# KiCad board 32X_VA2.kicad_pcb (continued)
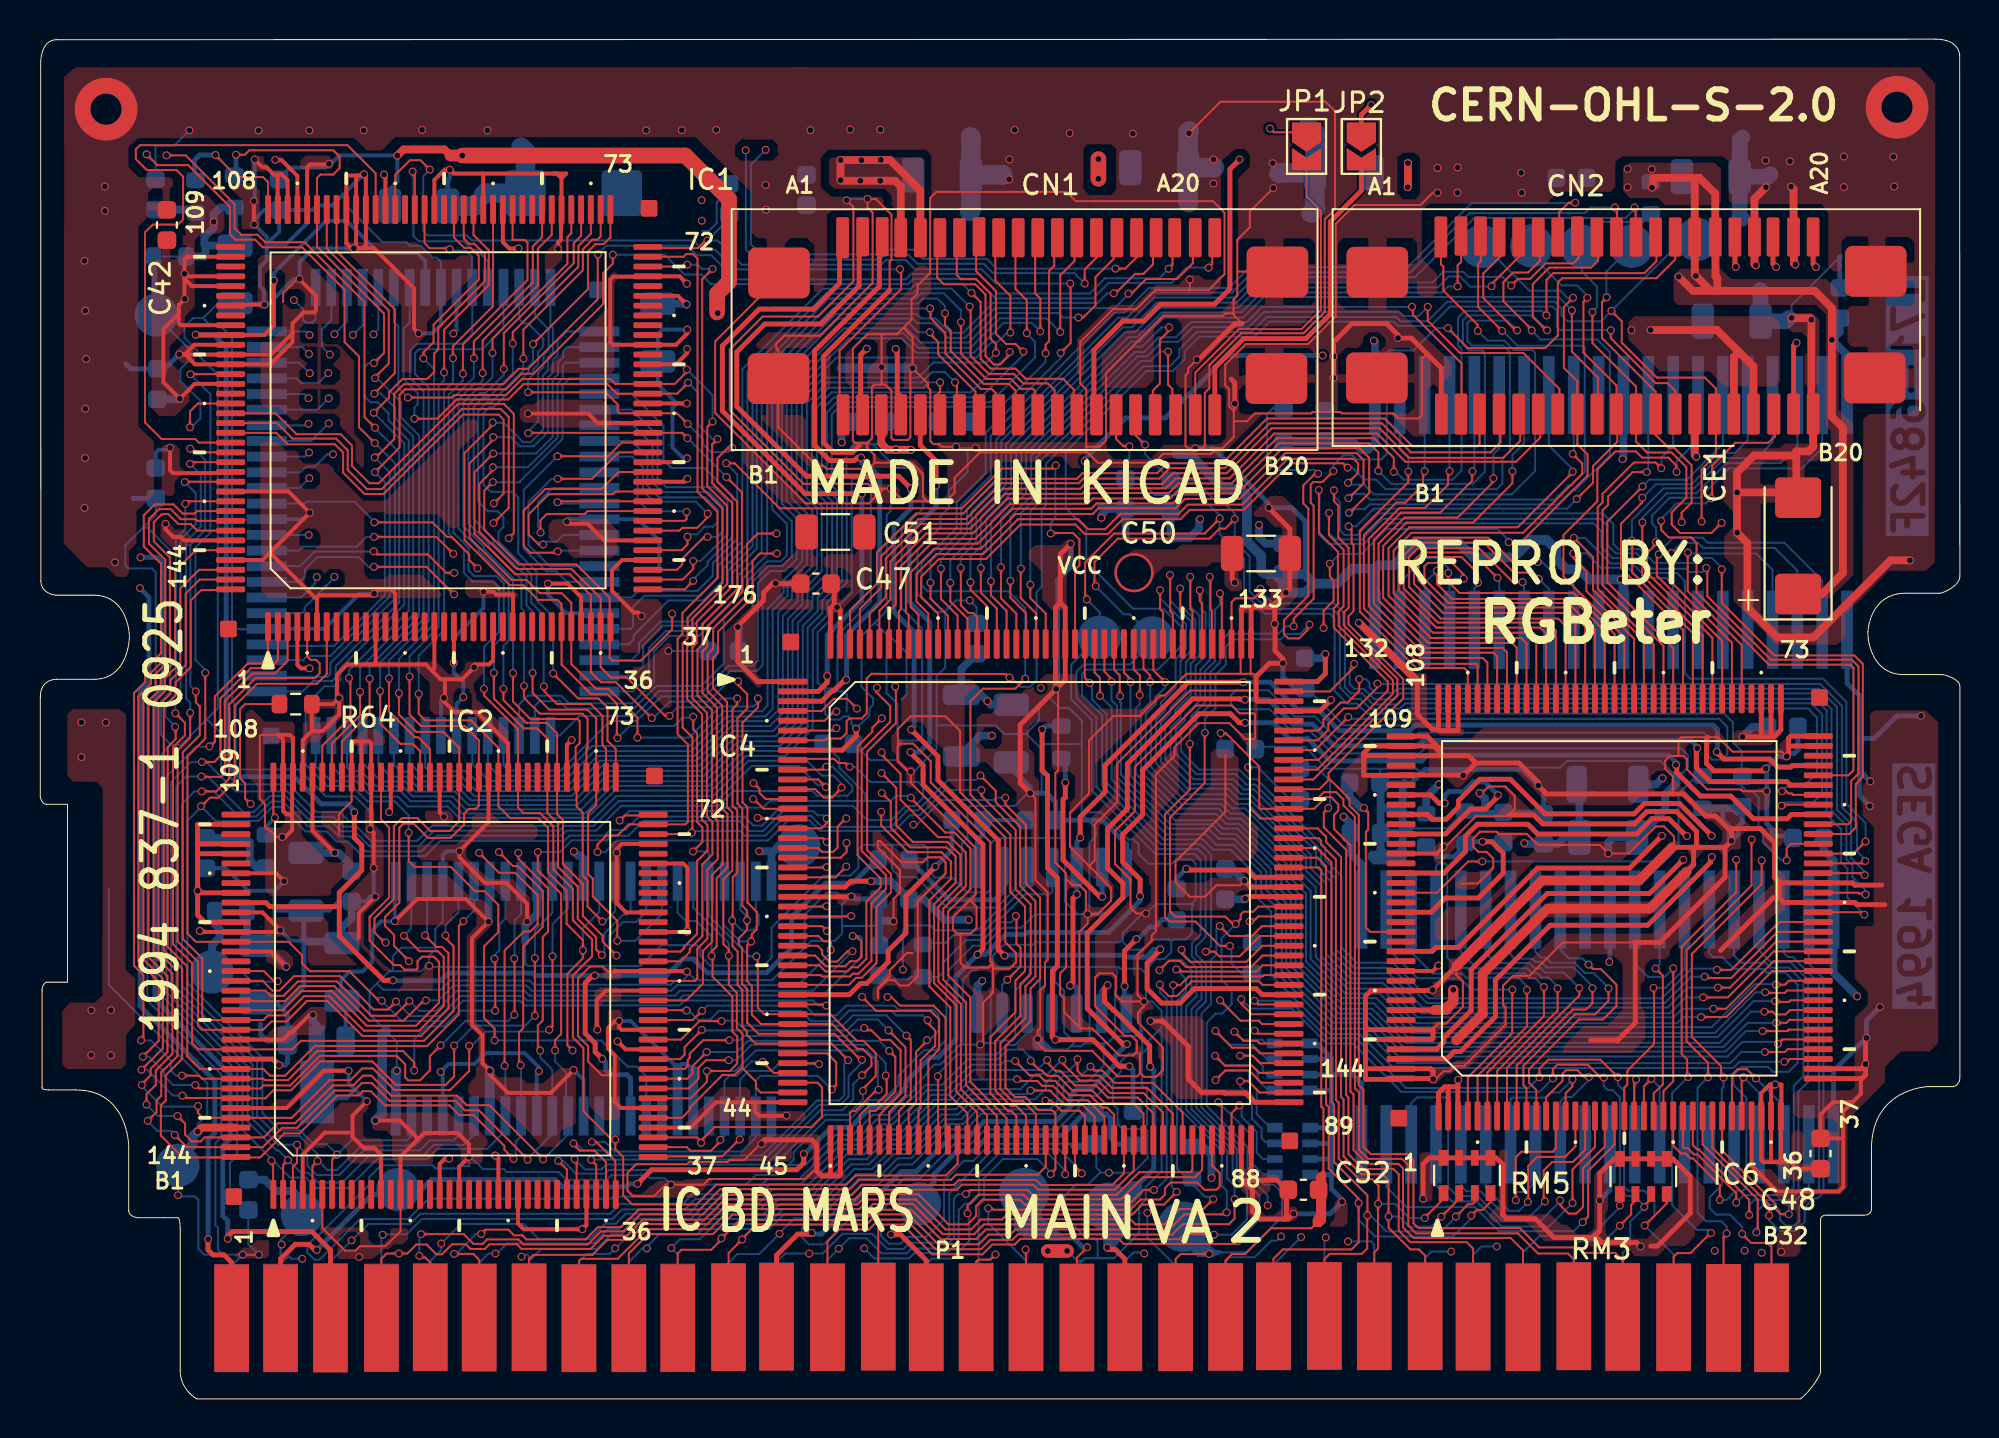
[diagram p0: board, top side]
## Routing (per net, layer and track width the routed paths; a pad name or vN(x,y) marks a point on that pad's centre or on a via; arc(x,y) is an arc through that point) (continued)
SHD1: length 81.6
  Top w0.1: v1(19.72,23.69) 20.31,23.1 20.6,23.1 20.92,22.78 20.92,19.95 19.52,18.55 16.52,18.55 14.73,20.34 13.69,20.34 12.64,19.29 11.87,19.29 11.45,18.87 IC2.131 8.33,18.87 8.12,19.07 8.12,22.34 7.08,23.38 7.08,33.15 7.72,33.79 v1(7.72,35.07) ; IC4.25 41.49,24.66 v1(41.51,24.68) ; v1(7.71,47.79) 7.8,47.88 IC1.131
  In1.Cu w0.1: v1(19.72,23.69) 20.24,23.17 21.23,23.17 21.63,23.57 25.02,23.57 25.75,24.3 25.75,25.31 26.55,26.11 38.69,26.11 40.12,24.68 v1(41.51,24.68)
  Bottom w0.1: v1(7.71,47.79) 8.26,47.24 8.26,44.57 7.51,43.82 7.51,35.8 7.72,35.59 v1(7.72,35.07) ; IC3.3 19.83,23.8 v1(19.72,23.69)
SHD2: length 77.3
  Top w0.1: IC1.133 7.46,46.88 v1(7.44,46.86) ; v1(6.96,35.05) 7.45,34.56 7.45,33.91 6.84,33.3 6.84,23.24 7.82,22.26 7.82,18.19 8.14,17.87 IC2.133 12.94,17.87 13.38,18.3 19.66,18.3 21.18,19.82 21.18,23.14 20.77,23.55 v1(20.77,23.69) ; v1(40.25,25.18) 40.23,25.16 IC4.24
  In1.Cu w0.1: v1(40.25,25.18) 39.12,26.31 26.47,26.31 25.55,25.39 25.55,24.38 24.95,23.78 20.86,23.78 v1(20.77,23.69)
  Bottom w0.1: v1(6.96,35.05) 6.96,35.49 7.23,35.76 7.23,43.94 8,44.71 8,46.3 v1(7.44,46.86) ; IC3.5 21.43,24.87 20.77,24.21 v1(20.77,23.69)
SHD3: length 78.6
  Top w0.1: v1(41.25,27.21) 40.7,26.66 IC4.21 ; v1(6.95,34.35) 6.98,34.32 6.98,33.73 6.57,33.32 6.57,23.1 7.57,22.1 7.57,17.51 8.22,16.87 IC2.135 11.45,16.87 11.8,16.52 12.57,16.52 14.08,18.03 19.83,18.03 21.45,19.65 21.45,24.18 v1(21.69,24.42) ; v1(7.47,45.75) 7.6,45.88 IC1.135
  In1.Cu w0.1: v1(41.25,27.21) 40.55,26.51 26.39,26.51 23.87,23.99 22.12,23.99 v1(21.69,24.42)
  Bottom w0.1: v1(6.95,34.35) 6.95,34.38 6.46,34.87 6.46,35.49 6.99,36.02 6.99,43.98 7.47,44.46 v1(7.47,45.75) ; v1(21.69,24.42) 22.23,24.96 IC3.6
SHD4: length 99.3
  Top w0.1: v1(23.31,19.84) 23.31,22.45 v1(23.27,22.49) ; v1(19.17,16.78) 19.17,17.2 18.59,17.78 14.21,17.78 12.72,16.29 11.53,16.29 11.45,16.37 IC2.136 8.33,16.37 8.17,16.52 v1(7.3,16.52) ; IC4.20 40.24,27.16 v1(40.26,27.18) ; v1(5.21,18.32) 5.33,18.44 5.33,21.66 4.85,22.14 4.85,36.08 5.42,36.65 5.42,37.3 6.23,38.11 6.23,42.69 5.35,43.57 5.35,45.16 5.91,45.72 6.87,45.72 7.34,45.25 7.95,45.25 8.08,45.38 IC1.136
  In1.Cu w0.1: v1(40.26,27.18) 38.37,29.07 36.21,29.07 35.13,30.15 27.79,30.15 25.91,28.27 25.91,27.8 25.07,26.96 20,26.96 17.22,24.18 17.22,23.15 18.68,21.69 22.47,21.69 v1(23.27,22.49)
  Bottom w0.1: v1(19.17,16.78) 19.17,18.38 19.83,19.04 20.7,19.04 21.5,19.84 v1(23.31,19.84) ; IC3.8 23.83,24.54 23.52,24.23 23.52,22.92 23.27,22.67 v1(23.27,22.49) ; v1(5.21,18.32) 5.71,18.32 6.73,17.3 6.73,16.79 7,16.52 v1(7.3,16.52)
SHD5: length 109.9
  Top w0.1: IC4.19 40.97,27.66 41.27,27.96 v1(41.27,28.42) ; v1(24.28,22.51) 24.3,22.49 24.3,19.64 v1(24.29,19.63) ; IC1.137 8.08,44.88 8,44.96 7.24,44.96 6.72,45.48 6.12,45.48 5.61,44.97 5.61,43.72 6.45,42.88 6.45,37.85 5.72,37.12 5.72,36.55 5.07,35.9 5.07,22.36 6.11,21.32 6.11,18.3 v1(5.3,17.49) ; v1(20.52,18.07) 19.97,17.52 19.97,16.79 19.46,16.28 18.86,16.28 18.71,16.43 18.71,17.1 18.28,17.53 14.35,17.53 12.84,16.02 11.47,16.02 11.31,15.87 IC2.137 8.16,15.87 v1(7.98,16.04)
  In1.Cu w0.1: v1(24.29,19.63) 23.15,20.77 17.75,20.77 16.61,21.91 16.61,24.45 23.55,31.39 32.78,31.39 33.58,32.19 37.04,32.19 38.58,30.65 41.35,30.65 42,30 42,29.15 v1(41.27,28.42)
  Bottom w0.1: v1(7.98,16.04) 6.85,16.04 6.37,16.52 6.37,16.73 5.61,17.49 v1(5.3,17.49) ; IC3.9 24.63,24.78 24.3,24.45 24.3,22.53 v1(24.28,22.51) ; v1(24.29,19.63) 23.98,19.32 21.79,19.32 20.54,18.07 v1(20.52,18.07)
SHD6: length 110.4
  Top w0.1: v1(5.23,16.82) 6.32,17.91 6.32,21.48 5.33,22.47 5.33,35.8 5.95,36.42 5.95,37.05 6.68,37.78 6.68,43.01 5.86,43.83 5.86,44.81 6.27,45.22 6.61,45.22 7.11,44.72 7.74,44.72 8.08,44.38 IC1.138 ; v1(25.34,19.58) v1(25.34,22.53) ; v1(7.32,15.5) 7.44,15.38 10.05,15.38 IC2.138 11.56,15.37 11.97,15.77 12.87,15.77 14.35,17.25 17.03,17.25 18.23,16.05 20.78,16.05 21.21,16.48 v1(21.21,18.06) ; IC4.18 39.81,28.16 40.01,27.96 40.59,27.96 40.81,28.18 40.81,29.25 41.23,29.67 v1(41.25,29.67)
  In1.Cu w0.1: v1(25.34,19.58) 23.94,20.98 17.83,20.98 16.81,22 16.81,24.37 23.63,31.19 32.87,31.19 33.63,31.95 36.99,31.95 38.52,30.42 40.5,30.42 v1(41.25,29.67)
  Bottom w0.1: v1(21.21,18.06) 22.23,19.08 24.84,19.08 v1(25.34,19.58) ; v1(7.32,15.5) 6.84,15.5 5.52,16.82 v1(5.23,16.82) ; v1(25.34,22.53) 25.34,23.96 26.23,24.85 IC3.11
SHD7: length 104.8
  Top w0.1: v1(21.98,18.05) 21.98,16.76 21.01,15.79 18.16,15.79 17.06,16.89 16.51,16.89 15.91,16.29 14.84,16.29 12.92,14.37 IC2.140 8.36,14.37 8.12,14.61 v1(8.12,14.97) ; v1(26.24,22.62) 26.24,19.03 v1(26.07,18.86) ; v1(40.26,28.46) 40.06,28.66 IC4.17 ; v1(5.25,16.04) 5.25,16.09 5.7,16.54 5.7,16.87 6.56,17.73 6.56,21.61 5.59,22.58 5.59,35.68 6.21,36.3 6.21,36.96 6.95,37.7 6.95,42.32 8.01,43.38 IC1.140
  In1.Cu w0.1: v1(26.24,22.62) 26.24,22.15 25.58,21.49 18.6,21.49 17.01,23.08 17.01,24.25 19.92,27.16 24.41,27.16 25.08,27.83 25.08,28.23 27.22,30.37 35.38,30.37 36.45,29.3 39.42,29.3 v1(40.26,28.46)
  Bottom w0.1: IC3.12 27.03,25.06 26.24,24.27 v1(26.24,22.62) ; v1(21.98,18.05) 22.11,18.05 22.83,18.77 25.98,18.77 v1(26.07,18.86) ; v1(8.12,14.97) 8.09,14.94 6.29,14.94 5.25,15.98 v1(5.25,16.04)
SHD8: length 90.8
  Top w0.1: IC4.16 39.99,29.16 40.25,29.42 v1(40.25,29.66) ; v1(7.07,14.46) 7.46,14.07 7.46,13.51 7.81,13.16 8.26,13.16 8.47,13.37 IC2.142 11.48,13.37 12.21,14.09 13.08,14.09 15.01,16.02 16.05,16.02 16.55,16.52 16.98,16.52 18,15.5 21.36,15.5 21.85,15.01 23.01,15.01 25.76,12.26 v1(25.76,12.24) ; IC1.142 8.18,42.38 7.21,41.41 7.21,37.61 6.43,36.83 6.43,36.17 5.85,35.59 5.85,22.7 6.81,21.74 6.81,17.64 5.96,16.79 5.96,16.05 5.49,15.58 v1(5.49,15.04) ; v1(25.49,27.95) 25.49,27.01 26.68,25.82 26.68,18.65 26.37,18.34 v1(26.37,17.81)
  Bottom w0.1: v1(7.07,14.46) 6.07,14.46 v1(5.49,15.04) ; v1(25.76,12.24) 27.03,13.51 IC3.39 26.93,14.56 26.93,16.69 26.37,17.25 v1(26.37,17.81) ; v1(25.49,27.95) 26.62,27.95 27.22,28.55 29.01,28.55 29.24,28.78 30.12,28.78 30.88,29.54 35.78,29.54 36.3,29.02 37,29.02 38.02,30.04 39.57,30.04 39.78,29.83 40.08,29.83 v1(40.25,29.66)
SHD9: length 87.2
  Top w0.1: IC4.15 36.76,29.66 v1(36.72,29.7) ; v1(24.97,12.22) 24.97,12.25 22.47,14.75 21.76,14.75 21.28,15.23 17.91,15.23 17,16.14 16.49,16.14 16.11,15.76 15.1,15.76 13.19,13.85 12.41,13.85 11.42,12.87 IC2.143 7.56,12.87 v1(6.93,13.49) ; IC1.143 8.21,41.88 7.49,41.16 7.49,37.51 6.71,36.73 6.71,36.04 6.1,35.43 6.1,22.83 7.07,21.86 7.07,17.52 6.24,16.69 6.24,15.49 6,15.25 6,14.66 v1(5.55,14.21) ; v1(25.61,17.8) 25.49,17.92 25.49,19.09 25.74,19.34 25.74,23.61 26.01,23.88 26.01,26.09 24.49,27.61 v1(24.49,27.91)
  In1.Cu w0.1: v1(36.72,29.7) 35.85,30.57 26.86,30.57 24.49,28.2 v1(24.49,27.91)
  Bottom w0.1: v1(25.61,17.8) 25.61,17.45 26.23,16.83 IC3.40 26.23,13.54 24.97,12.28 v1(24.97,12.22) ; v1(6.93,13.49) 6.72,13.7 6.04,13.7 5.55,14.19 v1(5.55,14.21)
SHD10: length 87.4
  Top w0.1: v1(23.5,27.95) 24.22,27.23 24.47,27.23 25.74,25.96 25.74,24.13 24.74,23.13 24.74,18.95 24.53,18.74 24.53,17.13 v1(24.61,17.05) ; 8.81,12.34 9.91,12.34 ; 8.81,12.34 11.3,12.34 12.53,13.57 13.31,13.57 15.25,15.51 16.32,15.51 16.54,15.73 16.95,15.73 17.68,15 20.98,15 21.47,14.51 22.2,14.51 23.78,12.93 23.78,12.73 v1(24.25,12.26) ; 8.81,12.34 7.34,12.34 6.22,13.46 6.22,15 6.47,15.25 6.47,16.54 7.31,17.38 7.31,21.99 6.37,22.93 6.37,35.34 6.97,35.94 6.97,36.62 7.75,37.4 7.75,40.81 8.28,41.34 9.65,41.34 ; v1(36.49,30.66) 36.53,30.66 37.03,30.16 IC4.14
  In1.Cu w0.1: v1(23.5,27.95) 26.33,30.78 36.41,30.78 36.49,30.7 v1(36.49,30.66)
  Bottom w0.1: v1(24.25,12.26) 24.36,12.37 24.36,13.15 24.63,13.42 IC3.42 24.63,17.03 v1(24.61,17.05)
SHD11: length 82.5
  Top w0.1: v1(8.7,33.35) 8.75,33.4 8.8,33.4 8.98,33.58 8.98,35.9 10.67,37.59 11.36,37.59 11.69,37.92 11.69,39.3 ; v1(36.51,31.47) 36.53,31.47 36.82,31.18 36.82,30.97 37.13,30.66 IC4.13 ; v1(23.79,17.02) 23.79,22.91 24.77,23.89 25.1,23.89 25.48,24.27 25.48,25.74 24.33,26.89 23.51,26.89 v1(22.49,27.91) ; 11.96,10.62 11.96,12.09 v1(11.87,12.18)
  In1.Cu w0.1: v1(36.51,31.47) 33.45,31.47 32.96,30.98 25.56,30.98 v1(22.49,27.91)
  Bottom w0.1: v1(23.79,17.02) 23.83,16.98 IC3.43 23.83,13.71 22.9,12.78 20.36,12.78 19.83,12.25 17.27,12.25 15.8,10.78 14.16,10.78 13.63,11.31 12.83,11.31 11.96,12.18 v1(11.87,12.18) 11.87,12.27 10.39,13.75 10.39,16.89 6.5,20.78 6.5,31.81 8.02,33.33 8.68,33.33 v1(8.7,33.35)
SHD12: length 86.8
  Top w0.1: v1(41.01,31.25) 41.01,31.22 40.52,30.73 40.1,30.73 39.67,31.16 IC4.12 ; v1(12.72,12.21) 12.47,11.96 IC2.2 ; IC1.2 12.2,37.76 11.79,37.35 10.82,37.35 9.26,35.79 9.26,32.86 8.95,32.55 v1(8.32,32.55)
  Bottom w0.1: IC3.45 22.23,13.51 21.7,12.98 20.17,12.98 19.65,12.46 16.9,12.46 15.5,11.06 14.26,11.06 13.76,11.56 13.37,11.56 v1(12.72,12.21) 12.23,12.7 12.13,12.7 10.66,14.17 10.66,16.99 6.74,20.91 6.74,31.54 7.75,32.55 v1(8.32,32.55) 8.55,32.55 10.05,31.05 12.69,31.05 13.99,29.75 15.05,29.75 15.55,29.25 16.22,29.25 16.95,28.52 19.32,28.52 20.09,29.29 26.5,29.29 26.71,29.5 28.18,29.5 29.5,30.82 34.46,30.82 36.25,32.61 39.25,32.61 40,31.86 40.07,31.86 40.06,31.86 40.6,31.86 41.01,31.45 v1(41.01,31.25)
SHD13: length 85.4
  Top w0.1: v1(8.29,31.81) 8.31,31.79 9.3,31.79 9.49,31.98 9.49,35.67 10.9,37.08 12.06,37.08 12.7,37.72 IC1.3 ; IC2.3 12.97,11.87 12.98,11.87 13.18,12.07 v1(13.18,12.99) ; v1(40.21,31.27) 39.82,31.66 IC4.11
  Bottom w0.1: v1(40.21,31.27) 40.11,31.37 39.79,31.37 38.81,32.35 36.42,32.35 34.63,30.56 29.62,30.56 28.35,29.29 26.84,29.29 26.59,29.04 20.19,29.04 19.4,28.25 16.88,28.25 16.12,29.01 15.44,29.01 14.94,29.51 13.88,29.51 12.58,30.81 11.79,30.81 10.97,29.99 10.44,29.99 8.63,31.8 8.3,31.8 v1(8.29,31.81) 7.51,31.81 7.01,31.31 7.01,20.99 10.9,17.1 10.9,14.31 12.22,12.99 v1(13.18,12.99) 13.71,12.46 13.71,11.92 14.19,11.44 15.34,11.44 16.6,12.7 19.46,12.7 19.98,13.22 21.19,13.22 21.43,13.46 IC3.46
SHD14: length 86.3
  Top w0.1: v1(8.31,31.05) 9.06,31.05 9.71,31.7 9.71,35.49 11.06,36.84 14.09,36.84 14.34,37.09 14.34,37.59 14.16,37.77 13.88,37.77 13.7,37.95 IC1.5 ; v1(14.23,12.16) 13.97,11.9 IC2.5 ; IC4.10 40.09,32.16 v1(40.24,32.31)
  Bottom w0.1: v1(40.24,32.31) 40.56,32.31 41.56,31.31 41.56,31.08 41.31,30.83 39.76,30.83 39.52,31.07 35.49,31.07 34.73,30.31 29.74,30.31 28.47,29.04 26.95,29.04 26.7,28.79 20.35,28.79 19.54,27.98 16.69,27.98 15.92,28.75 15.32,28.75 14.8,29.27 13.72,29.27 12.46,30.53 11.86,30.53 11.1,29.77 10.2,29.77 8.92,31.05 v1(8.31,31.05) 7.94,31.05 7.3,30.41 7.3,21.11 11.14,17.27 11.14,14.48 12.18,13.44 13.31,13.44 14.23,12.52 v1(14.23,12.16) 14.27,12.16 14.73,11.7 15.22,11.7 16.47,12.95 19.21,12.95 19.83,13.57 IC3.48
SHD15: length 92.1
  Top w0.1: v1(41.43,32.3) 41.23,32.5 40.85,32.5 40.64,32.71 38.57,32.71 IC4.9 ; v1(8.27,30.29) 8.29,30.29 8.73,30.73 9.16,30.73 9.99,31.56 9.99,35.41 11.13,36.55 14.2,36.55 14.7,37.05 IC1.7 ; IC2.7 14.97,12.23 v1(15.23,12.49)
  Bottom w0.1: IC3.49 19.03,13.45 18.8,13.22 15.96,13.22 v1(15.23,12.49) 14.7,13.02 14.03,13.02 13.33,13.72 12.3,13.72 11.41,14.61 11.41,17.43 7.58,21.26 7.58,29.55 8.27,30.24 v1(8.27,30.29) 9.02,29.54 11.2,29.54 11.91,30.25 12.37,30.25 13.62,29 14.7,29 15.21,28.49 15.76,28.49 15.77,28.5 16.53,27.74 19.73,27.74 20.51,28.52 26.84,28.52 27.11,28.79 28.9,28.79 29.18,29.07 29.96,29.07 30.65,29.76 36.05,29.76 36.51,29.3 36.94,29.3 37.95,30.31 41.59,30.31 42.32,29.58 43.55,29.58 44.27,30.3 44.76,30.3 45.18,30.72 45.18,31.27 44.92,31.53 42.48,31.53 41.71,32.3 v1(41.43,32.3)
SHDREQ0: length 74.2
  Top w0.1: IC2.70 33.29,28.87 v1(33.36,28.94) 33.36,29.16 33.39,29.19 33.39,33.81 32.89,34.31 32.89,38.62 33.14,38.87 33.14,39.92 34.92,41.7 34.92,45.51 33.89,46.54 33.89,57.23 v1(34.42,57.76) ; IC1.70 33.04,57.88 v1(33.13,57.97) ; v1(48.11,31.86) 48.89,31.08 48.89,30.5 50.14,29.25 50.14,26.22 50.92,25.44 50.92,21.6 50.41,21.09 50.41,19.46 49.13,18.18 49.13,15.83 49.75,15.21 50.29,15.21 50.95,14.56 IC4.66
  Bottom w0.1: v1(33.36,28.94) 33.44,29.02 35.83,29.02 36.06,28.79 37.12,28.79 38.13,29.8 39.45,29.8 40.01,29.24 43.55,29.24 44.39,30.08 44.91,30.08 46.47,31.64 47.89,31.64 v1(48.11,31.86) ; v1(33.13,57.97) 33.66,57.97 33.87,57.76 v1(34.42,57.76)
SHDREQ1: length 80.3
  Top w0.1: IC1.71 32.94,58.38 33.08,58.52 33.41,58.52 33.65,58.28 33.65,46.36 34.67,45.34 34.67,41.96 32.88,40.17 32.88,39.1 32.63,38.85 32.63,33.98 33.16,33.45 33.16,29.5 33.02,29.37 IC2.71 30.14,29.37 29.57,28.8 29,28.8 28.54,28.34 v1(28.54,27.95) ; v1(48.16,31.12) 48.16,30.83 49.91,29.08 49.91,26.05 50.68,25.28 50.68,21.73 50.15,21.2 50.15,19.57 48.87,18.29 48.87,15.76 49.66,14.97 49.94,14.97 50.43,14.48 50.43,14.45 50.45,14.44 IC4.65
  Bottom w0.1: v1(28.54,27.95) 28.93,27.95 29.52,28.54 37.25,28.54 38.28,29.57 39.37,29.57 39.91,29.03 43.71,29.03 44.51,29.83 45.01,29.83 46.3,31.12 v1(48.16,31.12)
SHRDWR: length 88.5
  Top w0.1: IC1.77 27.2,59.58 27,59.38 27,58.02 23.17,54.19 v1(23.17,53.46) ; v1(24.22,37.1) 24.22,35.64 25.11,34.75 25.99,34.75 25.99,34.75 27.52,34.75 27.63,34.64 27.63,33.52 27.42,33.31 27.42,31.83 IC2.77 27.47,30.28 27.78,29.97 27.78,26.74 28.03,26.49 28.03,25.16 v1(28.79,24.4) ; IC4.59 47.45,14.59 46.57,15.47 46.57,20.01 45.5,21.08 45.5,25.48 46.6,26.58 46.6,27.47 46.13,27.94 44.41,27.94 43.04,29.31 v1(43.04,30.01)
  In1.Cu w0.1: v1(43.04,30.01) 41.25,31.8 40.07,31.8 38.96,32.91 35.41,32.91 34.26,34.06 30.94,34.06 29.36,35.64 24.77,35.64 24.22,36.19 v1(24.22,37.1)
  Bottom w0.1: v1(28.79,24.4) 28.92,24.4 29.43,24.91 IC3.15 ; v1(24.22,37.1) 24.22,41.95 22.72,43.45 22.72,43.57 21.68,44.61 21.68,50.93 22.42,51.67 22.62,51.67 23.17,52.22 v1(23.17,53.46)
SL1: length 92
  Top w0.25: CN1.B2 42.09,51.19 41.99,51.29 41.99,53.37 v1(42.3,53.68) ; v1(8.64,8.16) 8.63,8.15 8.63,7.62 8.89,7.36 9.45,7.36 9.84,6.97 P1.b1
  In2.Cu w0.25: v1(5.15,41.44) 5.19,41.48 8.54,41.48 11.28,38.74 32.65,38.74 33.88,39.97 34.94,39.97 36.94,41.97 36.94,46.36 42.3,51.72 v1(42.3,53.68)
  Bottom w0.25: v1(8.64,8.16) 8.64,13.25 8.98,13.59 8.98,16.26 5.16,20.08 5.16,36.18 5.61,36.63 5.61,40.98 v1(5.15,41.44)
SR1: length 101.3
  Top w0.25: CN1.B4 44.04,51.24 43.86,51.42 43.86,53.58 v1(43.78,53.66) ; v1(9.64,8.18) 9.64,8.32 9.87,8.55 13.94,8.55 14.89,7.6 14.89,4.1
  In2.Cu w0.25: v1(5.18,43.01) 8.96,43.01 12.07,39.9 28.43,39.9 29.44,40.91 34.45,40.91 36.07,42.53 36.07,46.86 41.14,51.93 41.14,54.11 41.89,54.86 42.88,54.86 43.78,53.96 v1(43.78,53.66)
  Bottom w0.25: v1(5.18,43.01) 6.04,43.01 6.35,42.7 6.35,36.27 5.92,35.84 5.92,20.43 9.76,16.59 9.76,13.29 9.38,12.91 9.38,9.36 9.64,9.1 v1(9.64,8.18)
TX0M: length 33.2
  Top w0.1: v1(16.89,36.81) 16.89,35.02 15.47,33.6 IC2.101 ; IC1.102 14.7,58.8 17.87,55.63 17.87,52.92 17.17,52.22 v1(17.17,52.17)
  Bottom w0.1: v1(17.17,52.17) 17.27,52.17 18.5,50.94 18.5,50.16 19.42,49.24 19.42,39.97 16.89,37.44 v1(16.89,36.81)
TX0S: length 33.4
  Top w0.1: v1(16.4,36.15) 16.4,34.93 14.97,33.5 IC2.102 ; v1(17.13,51.38) 18.18,52.43 18.18,55.69 15.2,58.67 IC1.101
  Bottom w0.1: v1(17.13,51.38) 17.47,51.38 18.2,50.65 18.2,50.11 19.12,49.19 19.12,40.07 16.4,37.35 v1(16.4,36.15)
VA1: length 104.5
  Top w0.1: v1(48.51,9.74) 48.71,9.74 48.78,9.67 55.77,9.67 56.29,10.19 57.29,10.19 57.54,10.44 57.54,10.77 57.83,11.06 59.19,11.06 59.56,10.69 60.17,10.69 60.34,10.86 60.34,11.54 59.95,11.94 IC4.84
  In1.Cu w0.1: 13.44,20.08 13.44,20.02 ; 13.44,20.08 13.44,29.79 11.77,31.46 11.77,38.18 14.12,40.53 15.08,40.53 16.49,41.94 16.49,53.81 v1(17.09,54.41) ; 13.44,20.08 13.44,15.16 13.74,14.86 14.56,14.86 17.6,11.82 24.28,11.82 25.8,10.3 38.81,10.3 39.43,9.68 46.81,9.68 47.05,9.92 48.33,9.92 v1(48.51,9.74)
  Bottom w0.1: v1(48.51,9.74) 48.51,8.98 50.44,7.05 P1.a17 ; IC5.29 17.34,54.66 v1(17.09,54.41)
VA2: length 103.6
  Top w0.1: IC4.83 59.45,11.7 59.08,11.33 56.43,11.33 55.3,10.2 50.56,10.2 50.32,10.44 48.01,10.44 47.45,9.88 v1(47.45,9.48)
  In1.Cu w0.1: v1(16.04,54.38) 16.29,54.13 16.29,42.03 14.99,40.73 14.03,40.73 11.57,38.27 11.57,31.38 13.24,29.71 13.24,15.07 13.65,14.66 14.46,14.66 17.5,11.62 24.19,11.62 25.71,10.1 38.72,10.1 39.34,9.48 v1(47.45,9.48)
  Bottom w0.1: P1.a15 45.34,6.88 45.63,7.17 46.65,7.17 47.54,8.06 47.54,9.47 47.53,9.48 v1(47.45,9.48) ; IC5.28 16.53,54.88 v1(16.04,54.38)
VA3: length 105.8
  Top w0.1: IC4.82 58.95,11.7 58.84,11.59 56.23,11.59 55.08,10.44 50.76,10.44 50.53,10.67 47.57,10.67 v1(47.37,10.47)
  In1.Cu w0.1: v1(40.87,7.68) 40.68,7.87 38.94,7.87 38.66,8.15 38.66,8.94 37.9,9.7 25.55,9.7 24.03,11.22 17.25,11.22 14.21,14.26 11.92,14.26 11.78,14.4 11.78,28.77 12.52,29.51 12.52,29.86 11.17,31.21 11.17,38.43 13.87,41.13 14.82,41.13 15.89,42.2 15.89,53.43 15.09,54.23 v1(15.09,54.42)
  Bottom w0.1: v1(47.37,10.47) 46.99,10.47 46.75,10.23 46.75,8.22 46.22,7.69 44.59,7.69 44.34,7.44 43.06,7.44 42.29,8.21 41.4,8.21 v1(40.87,7.68) 40.29,7.1 P1.a13 ; IC5.27 15.73,55.06 v1(15.09,54.42)
VA4: length 128.9
  Top w0.1: IC4.81 58.45,14.64 56.93,16.15 54.97,16.15 54.34,16.78 53.94,16.78 v1(53.73,16.99)
  In1.Cu w0.1: v1(37.84,8.44) 37.84,7.93 39.02,6.75 40.92,6.75 41.58,7.41 41.58,7.76 41.96,8.14 42.38,8.14 42.59,7.93 42.59,7.52 40.58,5.51 23.04,5.51 22.63,5.92 16.83,5.92 14.62,8.13 13.01,8.13 8.77,12.37 8.77,28.27 5.68,31.36 5.68,38.06 11.23,43.61 11.23,50.1 13.28,52.15 13.28,53.52 13.61,53.85 14.39,53.85 v1(14.86,53.38)
  Bottom w0.1: v1(14.86,53.38) 14.45,53.79 14.45,54.66 14.94,55.14 IC5.26 ; v1(53.73,16.99) 53.43,16.69 53.42,16.69 53.23,16.5 52.34,16.5 52.04,16.2 52.04,15.2 51.64,14.8 47.98,14.8 47.23,14.05 46.33,14.05 44.58,12.3 43.88,12.3 42.83,11.25 41.89,11.25 39.86,9.22 38.59,9.22 37.84,8.47 v1(37.84,8.44) 36.8,7.4 35.68,7.4 35.24,6.96 P1.a11
VA5: length 134
  Top w0.1: v1(53.07,17.36) 53.07,16.77 53.32,16.52 54.21,16.52 54.83,15.9 56.63,15.9 57.95,14.59 IC4.80
  In1.Cu w0.1: v1(13.02,56.16) 14.03,56.16 15.56,54.63 15.56,54.17 16.09,53.64 16.09,42.12 14.9,40.93 13.95,40.93 11.37,38.35 11.37,31.3 13.04,29.63 13.04,14.99 13.57,14.46 14.37,14.46 17.41,11.42 24.11,11.42 25.63,9.9 38.61,9.9 39.59,8.92 40.26,8.92 41.31,7.87 41.31,7.44 40.84,6.97 39.12,6.97 38.24,7.85 38.24,8.73 37.98,8.99 36.99,8.99 36.78,8.78 36.78,7.93 36.22,7.37 35.68,7.37 35.27,7.78 35.27,8.51 35.09,8.69 31.95,8.69 31.06,7.8 v1(31.06,7.69)
  Bottom w0.1: v1(13.02,56.16) 13.49,55.69 13.49,55.16 13.64,55.01 13.96,55.01 14.14,55.19 IC5.25 ; v1(53.07,17.36) 53.07,17.22 52.56,16.71 52.03,16.71 51.46,16.14 51.46,15.86 50.91,15.31 47.74,15.31 46.96,14.53 46.11,14.53 44.35,12.77 43.58,12.77 42.55,11.74 41.65,11.74 39.61,9.7 38.01,9.7 37.25,8.94 34.16,8.94 33.63,8.41 31.69,8.41 31.06,7.78 v1(31.06,7.69) 30.83,7.69 30.14,7 P1.a9
VA6: length 111
  Top w0.1: IC4.79 57.45,14.64 56.45,15.63 54.75,15.63 54.11,16.27 53.19,16.27 52.3,17.16 v1(52.3,17.33)
  In1.Cu w0.1: v1(24.65,7.27) 24.39,7.53 24.39,8.65 22.62,10.42 13.91,10.42 13.62,10.71 13.62,13.24 13.4,13.46 11.47,13.46 10.97,13.96 10.97,29.33 10.37,29.93 10.37,38.77 14.99,43.39 14.99,47.01 14.57,47.43 14.57,48.81 15.68,49.92 15.68,53.21 14.51,54.38 v1(13.82,54.38)
  Bottom w0.1: IC5.24 13.64,54.56 v1(13.82,54.38) ; v1(52.3,17.33) 52.27,17.33 51.54,16.6 50.93,16.6 50.16,15.83 47.51,15.83 46.73,15.05 45.85,15.05 44.05,13.25 43.3,13.25 42.3,12.25 41.38,12.25 39.35,10.22 37.8,10.22 37.01,9.43 33.9,9.43 33.41,8.94 30.31,8.94 29.79,8.42 29.25,8.42 28.49,7.66 25.66,7.66 25.04,7.04 P1.a7 25.04,7.28 24.95,7.37 24.75,7.37 v1(24.65,7.27)
VA7: length 108.3
  Top w0.1: v1(51.52,17.32) 51.52,17.19 51.94,16.77 52.19,16.77 52.94,16.02 54.01,16.02 54.63,15.4 56.15,15.4 56.95,14.61 IC4.78
  In1.Cu w0.1: v1(13.79,53.41) 14.32,52.88 14.92,52.88 15.47,52.33 15.47,50.85 14.88,50.26 12.84,50.26 12.23,49.65 12.23,43.12 9.17,40.06 9.17,29.43 9.77,28.83 9.77,12.86 13.42,9.21 17.71,9.21 18.98,7.94 v1(20.55,7.94)
  Bottom w0.1: IC5.23 13.44,53.76 v1(13.79,53.41) ; P1.a5 19.99,7.04 20.55,7.6 v1(20.55,7.94) 21.55,8.94 24.77,8.94 25.53,8.18 28.15,8.18 28.92,8.95 29.47,8.95 29.98,9.46 33.19,9.46 33.69,9.96 36.73,9.96 37.5,10.73 39.1,10.73 41.13,12.76 42.04,12.76 43.05,13.77 43.81,13.77 45.58,15.54 46.48,15.54 47.75,16.81 51.01,16.81 v1(51.52,17.32)
VA8: length 107.6
  Top w0.1: IC4.77 56.45,14.59 55.93,15.1 54.48,15.1 53.81,15.77 52.81,15.77 52.07,16.51 51.52,16.51 51.23,16.8 51.13,16.8 50.68,17.25 v1(50.68,17.28)
  In1.Cu w0.1: v1(15.97,8.1) 15.97,8.22 15.86,8.33 13.09,8.33 8.97,12.45 8.97,28.37 5.89,31.45 5.89,37.99 11.43,43.53 11.43,50.01 13.83,52.41 v1(13.83,52.42) 13.83,52.47
  Bottom w0.1: 14.89,4.12 14.89,7.03 15.96,8.1 v1(15.97,8.1) 16.04,8.17 16.05,8.17 16.82,8.94 18.96,8.94 19.48,9.46 29.19,9.46 29.7,9.97 32.9,9.97 33.39,10.46 36.45,10.46 37.21,11.22 38.83,11.22 40.67,13.06 40.68,13.06 40.87,13.25 41.77,13.25 42.79,14.27 43.53,14.27 45.31,16.05 46.15,16.05 47.45,17.35 49,17.35 49.5,17.85 50.27,17.85 50.68,17.44 v1(50.68,17.28) ; v1(13.83,52.42) 13.29,52.96 IC5.22
VA9: length 107.3
  Top w0.1: P1.b4 17.49,7.16 17.76,7.43 v1(18.39,7.43) 18.82,7.43 19.28,7.89 19.8,7.89 20.3,7.39 20.59,7.39 21.1,7.9 21.81,7.9 22.05,7.66 22.78,7.66 23.02,7.9 24.42,7.9 24.65,7.67 28.19,7.67 28.86,8.34 30.03,8.34 30.85,9.16 34.01,9.16 35.04,10.19 41.7,10.19 42.2,10.69 46.9,10.69 47.16,10.95 50.8,10.95 51.06,10.69 54.97,10.69 55.95,11.67 IC4.76
  In1.Cu w0.1: v1(14.78,52.43) 15.26,51.95 15.26,50.92 14.82,50.48 12.77,50.48 12.03,49.74 12.03,43.2 6.53,37.7 6.53,34.14 7.63,33.04 8.42,33.04 8.97,32.49 8.97,29.29 9.57,28.69 9.57,12.74 13.33,8.98 17.56,8.98 18.39,8.15 v1(18.39,7.43)
  Bottom w0.1: IC5.21 13.15,52.16 13.38,51.93 14.28,51.93 v1(14.78,52.43)
VA10: length 103
  Top w0.1: v1(19.52,8.42) 21.7,8.42 22.2,7.92 22.67,7.92 22.9,8.15 24.49,8.15 24.75,7.89 28.04,7.89 28.71,8.56 29.86,8.56 30.73,9.43 33.92,9.43 34.92,10.43 41.54,10.43 42.04,10.93 46.75,10.93 47.01,11.19 50.95,11.19 51.21,10.93 54.85,10.93 55.45,11.53 IC4.75 ; P1.b5 19.99,6.97 19.73,7.23 19.51,7.23 v1(19.43,7.31)
  In1.Cu w0.1: v1(13.77,51.15) 12.88,51.15 11.63,49.9 11.63,43.43 6.1,37.9 6.1,31.53 9.17,28.46 9.17,12.54 13.17,8.54 16.3,8.54 17.98,6.86 19.01,6.86 19.38,7.23 19.38,7.26 v1(19.43,7.31)
  Bottom w0.1: v1(19.43,7.31) 19.43,8.33 v1(19.52,8.42) ; v1(13.77,51.15) 13.56,51.36 IC5.20
VA11: length 105.3
  Top w0.1: IC4.74 54.95,14.53 54.58,14.89 54.34,14.89 53.71,15.52 52.67,15.52 51.93,16.26 51.39,16.26 51.12,16.53 50.63,16.53 v1(49.89,17.27)
  In1.Cu w0.1: v1(17.56,8.39) 17.18,8.77 13.23,8.77 9.37,12.63 9.37,28.54 6.33,31.58 6.33,37.84 11.83,43.34 11.83,49.82 12.75,50.74 14.04,50.74 14.44,51.14 v1(14.8,51.14)
  Bottom w0.1: IC5.19 14.22,50.56 v1(14.8,51.14) ; v1(49.89,17.27) 49.35,17.27 49.16,17.08 47.61,17.08 46.31,15.78 45.38,15.78 43.63,14.03 42.92,14.03 41.88,12.99 40.95,12.99 38.94,10.98 37.36,10.98 36.59,10.21 33.53,10.21 33.01,9.69 29.8,9.69 29.31,9.2 19.57,9.2 18.78,8.41 17.58,8.41 v1(17.56,8.39) 17.49,8.32 P1.a4
VA12: length 98.9
  Top w0.1: IC4.73 54.45,14.42 53.6,15.26 52.56,15.26 51.82,16 51.27,16 51.02,16.25 50.07,16.25 v1(49.98,16.34)
  In1.Cu w0.1: v1(13.77,49.84) 13.64,49.84 12.83,49.03 12.83,45.72 14.19,44.36 14.19,43.76 9.57,39.14 9.57,29.6 10.17,29 10.17,13.03 13.58,9.62 22.24,9.62 23.32,8.54 v1(23.32,7.43)
  Bottom w0.1: IC5.18 13.69,49.76 v1(13.77,49.84) ; v1(49.98,16.34) 49.96,16.32 47.62,16.32 46.59,15.29 45.73,15.29 43.95,13.51 43.18,13.51 42.16,12.49 41.26,12.49 39.23,10.46 37.62,10.46 36.87,9.71 33.82,9.71 33.32,9.21 30.14,9.21 29.62,8.69 29.07,8.69 28.33,7.95 23.92,7.95 23.4,7.43 v1(23.32,7.43) 22.97,7.43 22.49,6.95 P1.a6
VA13: length 100.9
  Top w0.1: v1(50.67,15.76) 51.67,15.76 52.42,15.01 53.36,15.01 53.95,14.42 IC4.72
  In1.Cu w0.1: v1(29.44,7.7) 29.18,7.96 26.05,7.96 24.93,6.84 24.35,6.84 24.18,7.01 24.18,8.57 22.53,10.22 13.82,10.22 13.2,10.84 13.2,12.35 12.65,12.9 11.2,12.9 10.77,13.33 10.77,29.25 10.17,29.85 10.17,38.86 14.79,43.48 14.79,46.91 14.37,47.33 14.37,48.94 14.8,49.37 v1(14.8,49.86)
  Bottom w0.1: IC5.17 13.9,48.96 v1(14.8,49.86) ; v1(50.67,15.76) 50.66,15.76 50.47,15.57 47.61,15.57 46.84,14.8 45.97,14.8 44.18,13.01 43.43,13.01 42.41,11.99 41.51,11.99 39.47,9.95 37.85,9.95 37.09,9.19 34.03,9.19 33.53,8.69 30.46,8.69 29.47,7.7 v1(29.44,7.7) 29.15,7.41 27.98,7.41 27.59,7.02 P1.a8
VA14: length 96.9
  Top w0.1: v1(51.43,15.25) 51.72,15.25 52.24,14.73 53.17,14.73 53.45,14.45 IC4.71
  In1.Cu w0.1: v1(32.31,7.71) 32.31,7.56 31.49,6.74 29.55,6.74 28.73,7.56 26.29,7.56 25.08,6.35 23.91,6.35 23.74,6.52 23.74,8.41 22.33,9.82 13.66,9.82 10.37,13.11 10.37,29.08 9.77,29.68 9.77,39.03 14.39,43.65 14.39,45.76 13.38,46.77 13.38,47.95 v1(13.8,48.37)
  Bottom w0.1: v1(13.8,48.37) 13.59,48.16 IC5.16 ; v1(51.43,15.25) 51.24,15.06 47.89,15.06 47.12,14.29 46.23,14.29 44.45,12.51 43.68,12.51 42.66,11.49 41.77,11.49 39.73,9.45 38.09,9.45 37.32,8.68 34.28,8.68 33.76,8.16 32.76,8.16 v1(32.31,7.71) 32.31,7.7 32.64,7.37 P1.a10
VA15: length 99.6
  Top w0.1: IC4.70 52.95,11.87 v1(53.29,11.52)
  In1.Cu w0.1: v1(15.02,48.28) 15.02,47.26 15.19,47.09 15.19,42.9 14.61,42.32 14.61,41.86 14.28,41.53 13.71,41.53 10.77,38.6 10.77,31.04 11.38,30.43 11.38,14.12 11.64,13.86 13.92,13.86 14.63,13.15 14.63,11.94 15.75,10.82 23.86,10.82 25.38,9.3 34.9,9.3 35.48,8.72 35.48,7.95 35.78,7.65 36.09,7.65 36.55,8.11 36.55,8.83 36.96,9.24 38.03,9.24 38.46,8.81 38.46,8.05 39.08,7.43 v1(39.36,7.43)